# KiCad board Computer Board V2.1.kicad_pcb (continued)
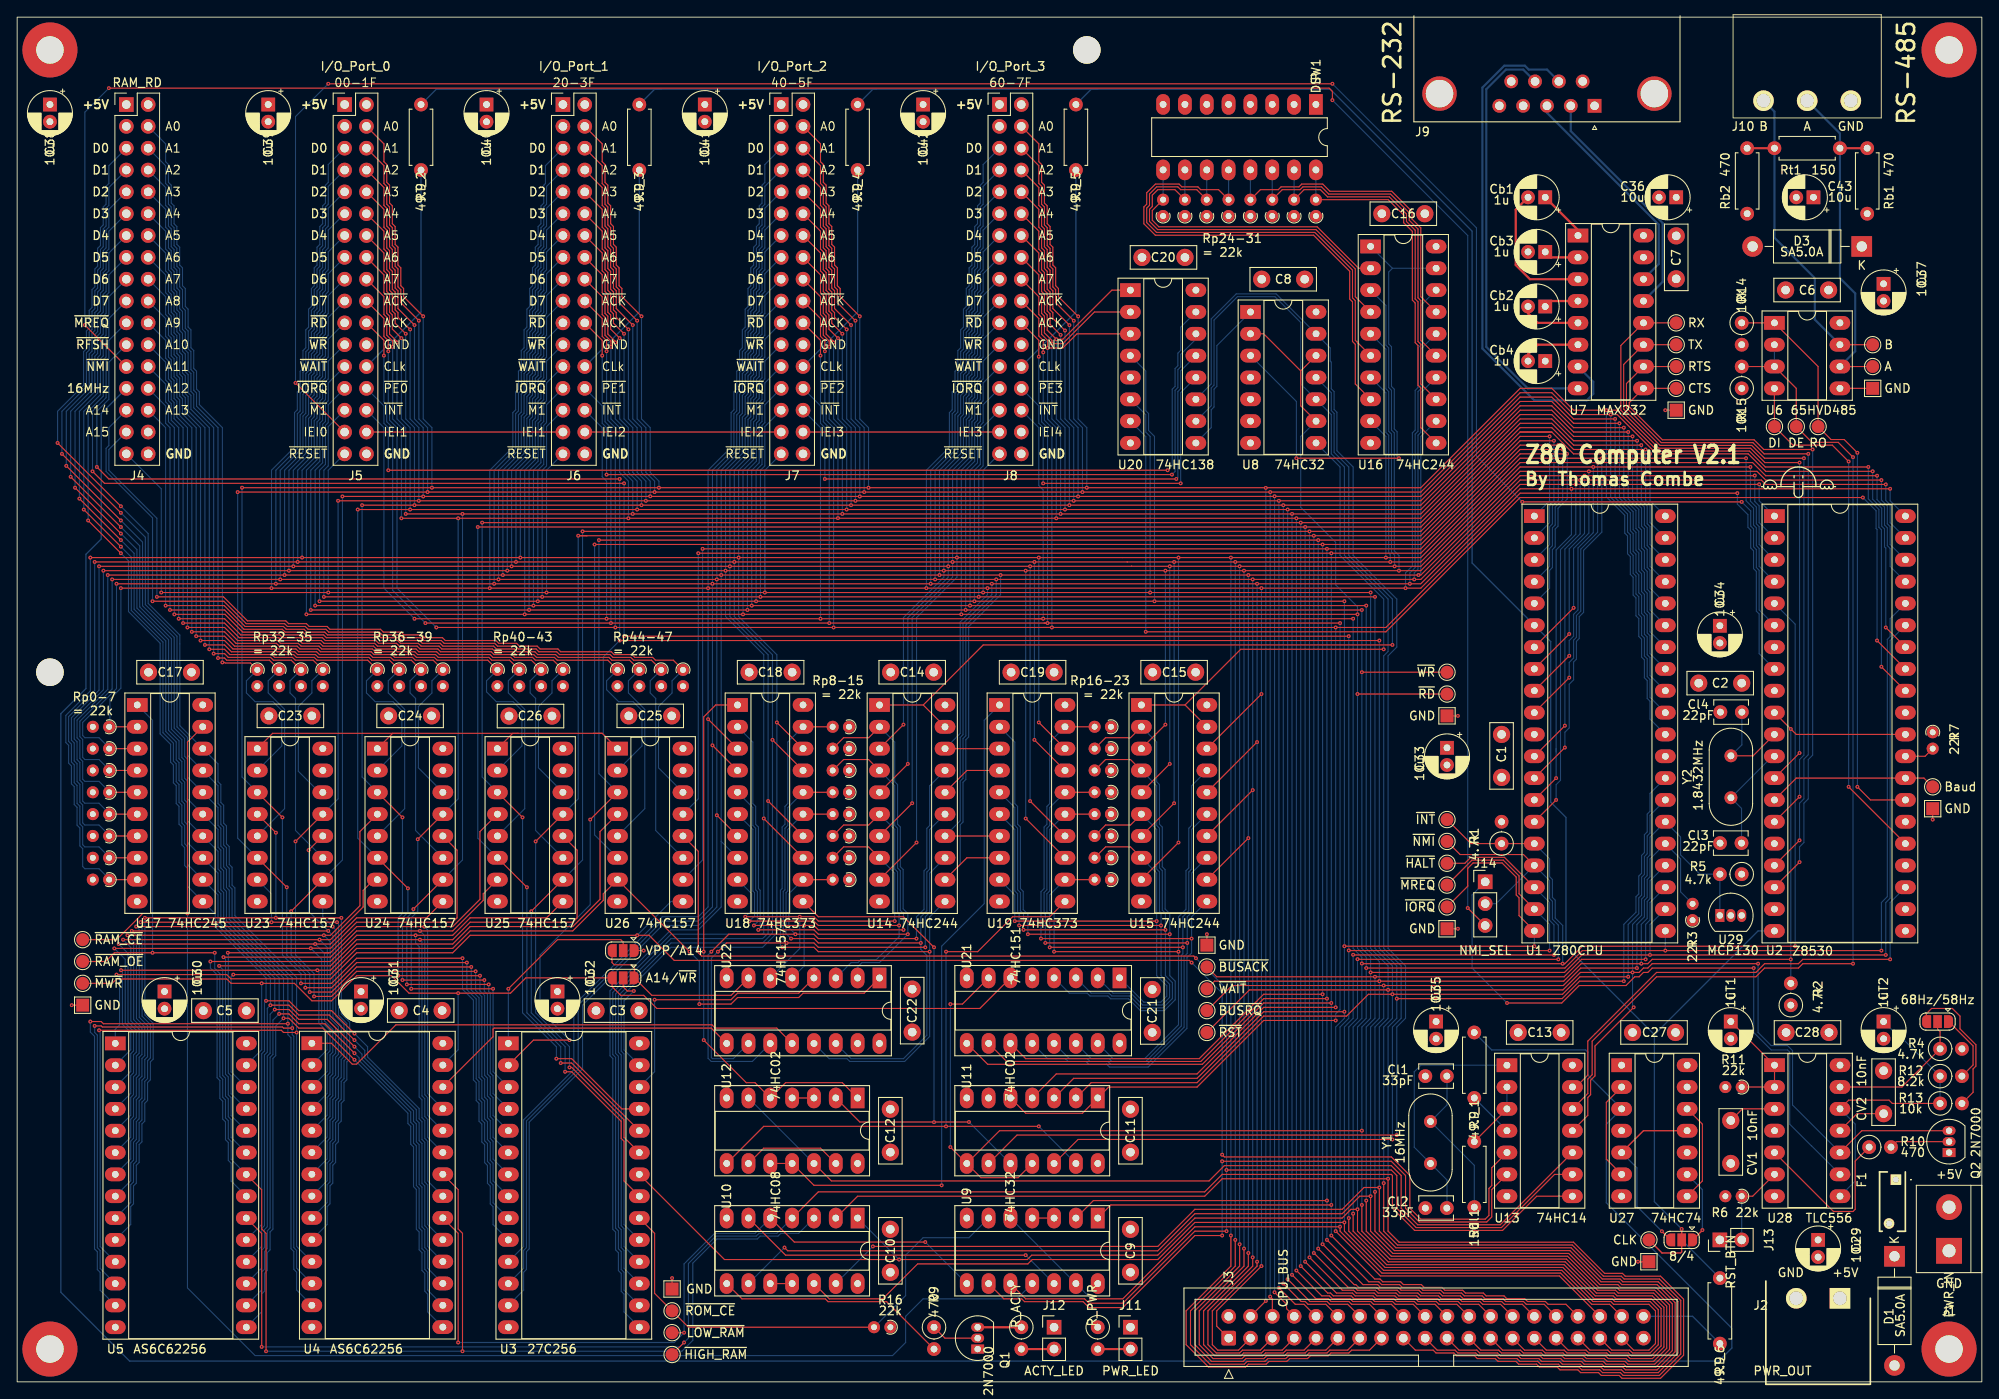
[diagram p0: board, top side]
## Routing (per net, layer and track width the routed paths; a pad name or vN(x,y) marks a point on that pad's centre or on a via; arc(x,y) is an arc through that point) (continued)
/A7: length 476.9
  Top w0.127: v1(69.09,120.4) 69.09,121.07 68.4,121.76 68.4,123.83 68.07,124.16 68.07,126.24 J6.18 ; U20.3 123.31,121.91 121.67,120.27 v1(119.9,120.27) 119.9,121.15 119.2,121.85 119.2,123.83 118.87,124.16 118.87,126.24 J8.18 ; J3.18 159.89,9.02 157.82,9.02 157.49,9.34 155.41,9.34 155.08,9.67 153.01,9.67 152.68,10 151.8,10 v1(148.84,12.95) ; J7.18 93.47,126.24 93.47,124.16 93.8,123.83 93.8,121.76 94.49,121.07 v1(94.49,120.4) ; v1(44.7,100.46) v1(120.9,100.46) 163.32,100.46 174.88,112.01 178.56,112.01 181.1,109.47 v1(188.49,109.47) ; J5.18 42.67,126.24 42.67,124.16 43,123.83 43,121.76 43.69,121.07 v1(43.69,120.4) ; U24.13 v1(46.61,63.12) ; v1(45.85,45.72) v1(55.37,45.72)
  Bottom w0.127: v1(43.69,120.4) 43.69,112.01 44.7,111 v1(44.7,100.46) ; v1(51.31,100.46) 51.31,67.82 U24.13 ; v1(94.49,120.4) 94.49,112.01 95.5,111 v1(95.5,100.48) ; v1(71.12,100.46) 71.12,104.77 70.1,105.79 70.1,111 69.09,112.01 v1(69.09,120.4) ; v1(46.61,63.12) 46.61,54.74 45.85,53.97 v1(45.85,45.72) ; 191.78,93.09 189.99,94.87 189.99,96.95 189.67,97.28 189.67,99.36 189.34,99.68 189.34,101.76 188.49,102.61 v1(188.49,109.47) ; v1(148.84,100.46) v1(148.84,12.95) ; v1(119.9,120.27) 119.9,112.01 120.9,111 v1(120.9,100.46) ; U3.3 55.37,36.07 v1(55.37,45.72)
/A8: length 336.6
  Top w0.127: v1(188.98,108.97) 181.1,108.97 178.56,111.51 174.88,111.51 163.32,99.95 v1(54.1,99.95) ; J3.20 162.43,9.02 160.36,9.02 160.03,9.34 157.95,9.34 157.62,9.67 155.55,9.67 155.22,10 153.14,10 152.81,10.32 152.49,10.32 v1(149.35,13.46) ; U3.25 70.36,31.75 64.52,37.59 v1(62.74,37.59) ; U25.3 v1(58.8,65.66)
  Bottom w0.127: v1(62.74,37.59) 62.74,38.99 58.8,42.93 v1(58.8,65.66) ; v1(54.1,99.95) 54.1,70.36 U25.3 ; U1.38 189.99,97.41 189.99,99.49 189.67,99.82 189.67,101.9 188.98,102.59 v1(188.98,108.97) ; v1(149.35,13.46) v1(149.35,99.95)
/A9: length 336.3
  Top w0.127: v1(149.86,13.97) 153.51,10.32 155.35,10.32 155.68,10 157.76,10 158.09,9.67 160.16,9.67 160.49,9.34 162.57,9.34 162.9,9.02 164.97,9.02 J3.22 ; U25.6 v1(59.31,57.53) ; U3.24 64.52,37.08 v1(63.25,37.08) ; v1(53.59,99.44) 163.32,99.44 174.88,111 178.56,111 181.1,108.46 v1(189.48,108.46)
  Bottom w0.127: v1(53.59,99.44) 53.59,63.25 U25.6 ; v1(149.86,13.97) v1(149.86,99.44) ; v1(59.31,57.53) 59.31,42.93 63.25,38.99 v1(63.25,37.08) ; U1.39 189.99,99.95 189.99,102.03 189.48,102.54 v1(189.48,108.46)
/A10: length 333
  Top w0.127: J3.24 167.51,9.02 165.44,9.02 165.11,9.34 163.03,9.34 162.7,9.67 160.63,9.67 160.3,10 158.22,10 157.89,10.32 155.82,10.32 155.49,10.65 154.19,10.65 v1(150.37,14.48) ; v1(189.99,107.95) 181.1,107.95 178.56,110.49 ; v1(63.75,36.07) 64.52,36.07 70.28,30.3 70.28,28.31 70.61,27.99 70.61,23.37 U3.21 ; U25.10 v1(59.82,54.74) ; 178.56,110.49 174.88,110.49 ; 178.56,110.49 174.88,110.49 ; 174.88,110.49 163.32,98.93 v1(65.79,98.93)
  Bottom w0.127: v1(150.37,98.93) v1(150.37,14.48) ; v1(65.79,98.93) 65.79,60.71 U25.10 ; U1.40 189.99,102.49 v1(189.99,107.95) ; v1(59.82,54.74) 59.82,42.93 63.75,38.99 v1(63.75,36.07)
/A11: length 314.9
  Top w0.127: U3.23 70.61,28.45 70.61,30.48 64.52,36.58 v1(64.26,36.58) ; U25.13 v1(60.33,62.86) ; 66.29,98.42 v1(65.28,98.42) 66.29,98.42 ; 66.29,98.42 163.32,98.42 174.88,109.98 v1(178.31,109.98) ; v1(150.88,14.99) 154.88,10.98 155.63,10.98 155.95,10.65 158.03,10.65 158.36,10.32 160.43,10.32 160.76,10 162.84,10 163.17,9.67 165.24,9.67 165.57,9.34 167.65,9.34 167.98,9.02 170.05,9.02 J3.26
  Bottom w0.127: U1.1 177.8,101.98 177.8,101.98 178.31,102.49 v1(178.31,109.98) ; v1(150.88,14.99) v1(150.88,98.42) ; U25.13 65.28,67.82 v1(65.28,98.42) ; v1(64.26,36.58) 64.26,38.99 60.33,42.93 v1(60.33,62.86)
/A12: length 309
  Top w0.127: v1(64.26,39.75) 60.07,39.75 U3.2 ; v1(178.81,109.47) 174.88,109.47 163.32,97.92 v1(67.69,97.92) ; U26.3 v1(66.68,65.41) ; v1(151.38,15.49) 155.57,11.31 155.76,11.31 156.09,10.98 158.17,10.98 158.49,10.65 160.57,10.65 160.9,10.32 162.97,10.32 163.3,10 165.38,10 165.71,9.67 167.78,9.67 168.11,9.34 170.19,9.34 170.52,9.02 172.59,9.02 J3.28
  Bottom w0.127: v1(66.68,65.41) 66.68,55.5 60.83,49.66 60.83,43.18 v1(64.26,39.75) ; v1(178.81,109.47) 178.81,102.53 178.31,102.03 178.31,99.94 U1.2 ; v1(151.38,15.49) v1(151.38,97.92) ; v1(67.69,97.92) 67.69,70.74 U26.3
/A13: length 318.7
  Top w0.127: U21.11 117.35,37.59 137.54,37.59 145.03,45.08 v1(151.89,45.08) ; v1(67.18,97.41) 163.32,97.41 174.88,108.97 v1(179.32,108.97) ; J3.30 175.13,9.02 173.06,9.02 172.73,9.34 170.65,9.34 170.32,9.67 168.25,9.67 167.92,10 165.84,10 165.51,10.32 163.44,10.32 163.1,10.66 161.03,10.66 160.71,10.98 158.63,10.98 158.3,11.31 156.59,11.31 v1(151.89,16)
  Bottom w0.127: v1(179.32,108.97) 179.32,102.58 178.64,101.89 178.64,99.81 178.31,99.48 178.31,97.4 U1.3 ; U26.6 67.18,63.63 v1(67.18,97.41) ; v1(151.89,16) v1(151.89,97.41)
/A14: length 345.1
  Top w0.127: v1(152.4,21.08) 125.22,21.08 U9.2 ; v1(152.4,16.51) 157.28,11.63 158.44,11.63 158.76,11.31 160.84,11.31 161.16,10.99 163.24,10.99 163.57,10.65 165.65,10.65 165.98,10.32 168.05,10.32 168.38,10 170.46,10 170.79,9.67 172.86,9.67 173.19,9.34 175.27,9.34 175.6,9.02 177.67,9.02 J3.32 ; v1(79.76,96.9) 163.32,96.9 174.88,108.46 v1(179.83,108.46) ; v1(152.4,44.58) 145.03,44.58 137.72,37.26 115.14,37.26 U21.10
  Bottom w0.127: U26.10 79.76,60.71 v1(79.76,96.9) ; 176.53,93.09 178.31,94.86 178.31,96.94 178.64,97.27 178.64,99.35 178.96,99.67 178.96,101.76 179.83,102.63 v1(179.83,108.46) ; v1(152.4,16.51) v1(152.4,21.08) v1(152.4,96.9)
/A14/~{WR}: length 12.3
  Top w0.127: v1(71.76,45.47) 70.99,45.47 70.52,45.94 JP3.2
  Bottom w0.127: v1(71.76,45.47) 70.61,44.32 70.61,38.61 U3.27
/A15: length 342.1
  Top w0.127: J3.34 180.21,9.02 178.14,9.02 177.81,9.34 175.73,9.34 175.4,9.67 173.33,9.67 173,10 170.92,10 170.59,10.32 168.52,10.32 168.19,10.65 166.11,10.65 165.79,10.98 163.71,10.98 163.37,11.31 161.3,11.31 160.98,11.63 158.9,11.63 158.57,11.96 157.97,11.96 v1(152.91,17.02) ; v1(180.34,107.95) 174.88,107.95 163.32,96.39 v1(79.25,96.39) ; U9.1 127.25,20.57 v1(152.91,20.57) ; v1(152.91,44.07) 145.03,44.07 137.9,36.94 112.92,36.94 U21.9
  Bottom w0.127: v1(152.91,17.02) v1(152.91,20.57) v1(152.91,96.39) ; v1(180.34,107.95) 180.36,107.93 180.36,102.69 179.29,101.62 179.29,99.54 178.96,99.21 178.96,97.13 178.64,96.81 178.64,94.73 178.31,94.4 178.31,92.32 U1.5 ; v1(79.25,96.39) 79.25,67.82 U26.13
/ACK: length 342.6
  Top w0.127: J8.22 118.87,121.16 v1(118.87,119.25) ; v1(93.47,119.38) 93.47,121.16 J7.22 ; J5.22 42.67,121.16 v1(42.67,119.38) ; U11.5 117.35,31.24 123.95,31.24 U11.1 127,34.29 137.29,34.29 145.03,42.04 v1(153.42,42.04) ; v1(68.07,119.38) 68.07,121.16 J6.22 ; 119.51,88.26 v1(119.89,88.26) ; 119.51,88.26 v1(153.92,88.26) ; 119.51,88.26 v1(47.5,88.26)
  Bottom w0.127: v1(153.42,42.04) 153.42,42.8 153.92,43.31 v1(153.92,88.26) ; v1(93.47,119.38) 93.47,114 93.8,113.67 93.8,111.69 94.49,111 v1(94.49,88.26) ; v1(68.07,119.38) 68.07,114 68.4,113.67 68.4,111.69 69.09,111 v1(69.09,88.26) ; v1(119.89,88.26) 119.89,111 119.2,111.69 119.2,113.67 118.87,114 v1(118.87,119.25) ; v1(42.67,119.38) 42.67,114 43,113.67 43,111.69 43.69,111 43.69,92.07 v1(47.5,88.26)
/ACTY: length 27.3
  Top w0.127: R9.2 101.17,9.32 94.35,9.32 94.03,9.65 84.33,9.65 U10.8
/AstableCap: length 36.2
  Top w0.127: R13.1 218.19,32.38 217.81,32.77 213.11,32.77 U28.12
  Bottom w0.127: U28.12 213.87,29.99 213.87,23.36 U28.8 ; CT2.1 218.19,40.89 218.41,40.89 R12.1 R13.1
/AstableNode: length 16.8
  Top w0.127: U28.13 219.31,34.29 R4.1 223.75,40.73 223.45,41.02 JP4.2
/B: length 39.1
  Top w0.127: TP15.1 U6.7
  Top w0.254: Rt1.2 Rb2.1
  Bottom w0.254: U6.7 209.17,123.57 209.17,128.4 204.47,133.1 Rt1.2 204.47,147.76 J10.3
/Bank_Q0: length 83.1
  Top w0.127: Rp_8.2 96.16,74.93 99.08,74.93 U14.2 ; v1(86.23,52.58) 92.71,52.58 93.22,52.07 v1(103.63,52.07)
  Bottom w0.127: U22.2 97.79,48.26 98.3,48.77 100.33,48.77 v1(103.63,52.07) 103.63,54.48 103.09,55.03 103.09,59.59 102.76,59.92 102.76,64.54 102.44,64.86 102.44,69.48 102.11,69.81 102.11,74.43 U14.2 ; U18.2 85.6,74.42 85.6,67.26 85.93,66.94 85.93,64.86 86.25,64.53 86.25,57.38 86.45,57.18 86.45,52.8 v1(86.23,52.58)
/Bank_Q1: length 67.1
  Top w0.127: v1(103.12,52.58) 93.22,52.58 92.71,53.09 v1(85.73,53.09) ; U14.4 99.06,72.39 96.16,72.39 Rp_9.2
  Bottom w0.127: v1(91.57,53.09) 91.57,48.38 U22.5 ; U18.5 85.6,66.8 85.6,64.72 85.93,64.4 85.93,57.24 86.12,57.04 86.12,53.49 v1(85.73,53.09) ; U14.4 102.11,69.35 102.11,64.73 102.44,64.4 102.44,59.78 102.76,59.46 102.76,54.84 103.12,54.48 v1(103.12,52.58)
/Bank_Q2: length 62.2
  Top w0.127: v1(85.21,53.59) 92.71,53.59 93.22,53.09 v1(102.62,53.09) ; Rp_10.2 96.16,64.77 99.08,64.77 U14.6
  Bottom w0.127: U14.6 102.11,64.27 102.11,59.65 102.44,59.32 102.44,54.66 102.62,54.48 v1(102.62,53.09) 102.62,51.77 99.94,49.09 98.16,49.09 97.84,48.77 97.04,48.77 U22.3 ; U18.6 85.6,64.26 85.6,57.1 85.8,56.9 85.8,54.19 v1(85.21,53.59)
/Bank_Q3: length 46.1
  Top w0.127: v1(84.71,54.1) 92.71,54.1 93.22,53.59 v1(102.11,53.59) ; Rp_11.2 96.16,62.23 99.06,62.23 U14.8
  Bottom w0.127: v1(91.06,54.1) 91.06,50.41 U22.6 ; U18.9 85.47,56.77 85.47,54.86 v1(84.71,54.1) ; U14.8 102.11,59.19 v1(102.11,53.59)
/Bank_Q4: length 77.5
  Top w0.127: v1(104.64,51.56) 93.22,51.56 92.71,52.07 v1(90.55,52.07) 82.8,52.07 v1(80.77,50.04) ; Rp_12.2 U18.12
  Bottom w0.127: U18.12 89.79,56.77 89.79,52.83 v1(90.55,52.07) ; v1(104.64,51.56) 104.64,54.09 105.52,54.97 105.52,59.44 105.84,59.76 105.84,64.38 106.17,64.71 106.17,69.33 U14.17 ; U22.11 85.53,37.26 80.76,37.26 80.39,37.64 80.39,49.66 v1(80.77,50.04)
/Bank_Q5: length 73.9
  Top w0.127: v1(90.04,51.56) 92.71,51.56 93.22,51.05 v1(105.14,51.05) ; Rp_13.2 U18.15
  Bottom w0.127: U18.15 89.66,64.26 89.66,57.1 89.46,56.9 89.46,52.14 v1(90.04,51.56) ; U22.14 97.02,37.59 103.12,37.59 105.84,40.31 105.84,49.6 105.14,50.3 v1(105.14,51.05) 105.14,54.09 105.84,54.79 105.84,59.3 106.17,59.63 106.17,64.25 U14.15
/Bank_Q6: length 76
  Top w0.127: v1(105.66,50.55) 93.22,50.55 92.71,51.05 v1(89.53,51.05) 82.55,51.05 v1(81.53,50.04) ; U18.16 Rp_14.2
  Bottom w0.127: v1(81.53,50.04) 80.77,49.28 80.77,37.72 80.9,37.59 83.32,37.59 U22.10 ; v1(105.66,50.55) 105.66,54.1 106.17,54.61 106.17,59.17 U14.13 ; v1(89.53,51.05) 89.14,51.45 89.14,57.04 89.34,57.24 89.34,64.4 89.66,64.72 89.66,66.8 U18.16
/Bank_Q7: length 79.6
  Top w0.127: v1(106.17,50.04) 93.22,50.04 92.71,50.55 v1(89.03,50.55) ; U18.19 Rp_15.2
  Bottom w0.127: U22.13 94.48,37.59 96.56,37.59 96.88,37.26 103.26,37.26 106.17,40.18 v1(106.17,50.04) 106.17,54.09 U14.11 ; U18.19 89.66,74.42 89.66,67.26 89.34,66.94 89.34,64.86 89.01,64.53 89.01,57.38 88.81,57.18 88.81,50.76 v1(89.03,50.55)
/Bank_Register/WR: length 61.3
  Top w0.127: U18.11 93.22,54.1 103.12,54.1 v1(106.68,50.55) ; U12.2 98.04,30.23 106.66,30.23 v1(106.68,30.21) 106.7,30.23 v1(110.74,30.23)
  Bottom w0.127: v1(106.68,30.21) v1(106.68,50.55) ; v1(110.74,30.23) U11.10
/Bank_Register/~{OE}: length 64.3
  Top w0.127: U18.1 81.28,78.74 79.88,77.34 v1(79.88,50.04) ; v1(79.88,39.75) 84.84,34.8 85.85,34.8 U12.5 89.41,34.8 96.01,34.8 U12.1
  Bottom w0.127: v1(79.88,39.75) v1(79.88,50.04)
/Baud_CLK: length 19.9
  Top w0.127: TP2.1 221.87,70.23 U2.28 207.01,70.23 U2.14
/CLK: length 299.2
  Top w0.15: v1(193.68,17.78) JP1.2 193.68,15.11 193.55,14.99 191.39,14.99 TP22.1
  Bottom w0.15: 74.93,150.37 48.77,150.37 RT_2.2 ; 74.93,150.37 99.95,150.37 ; 74.93,150.37 74.17,150.37 RT_3.2 ; 190.5,40.39 202.57,52.45 U2.20 ; 190.5,40.39 190.5,20.95 v1(193.68,17.78) JP1.2 RT_6.2 ; 190.5,40.39 180.21,50.67 180.21,65.66 178.44,67.44 178.44,86.11 178.44,86.11 U1.6 169.29,95.25 169.29,133.86 152.78,150.37 125.73,150.37 ; 99.95,150.37 99.57,150.37 RT_4.2 ; 99.95,150.37 125.73,150.37 ; RT_5.2 124.97,150.37 125.73,150.37
/CLK_4MHz: length 8.8
  Top w0.15: v1(196.09,17.65) 196.09,17.62 JP1.1
  Bottom w0.15: v1(196.09,17.65) 196.09,22.35 U27.9
/CLK_8MHz: length 21.2
  Top w0.15: U27.11 189.23,29.21 U27.5 ; v1(191.37,17.51) JP1.3
  Bottom w0.15: v1(191.37,17.51) 188.47,20.42 188.47,24.89 U27.5
/CLK_16MHz: length 363.7
  Bottom w0.15: J4.27 9.78,112.65 9.78,98.04 8,96.27 8,80.64 5.08,77.72 5.08,10.41 13.08,2.41 197.99,2.41 199.52,3.94 199.52,6.22 184.91,20.83 184.91,29.97 U27.3 182.75,35.69 182.75,38.35 182.5,38.61 171.58,38.61 RT_1.2
/CPU_~{NMI}: length 138.2
  Top w0.127: v1(154.94,19.05) 154.94,17.53 159.17,13.3 179.86,13.3 183.49,9.67 185.56,9.67 185.89,9.34 190,9.34 190.95,8.39 190.95,4.31 190,3.36 187.95,3.36 187.62,3.68 185.55,3.68 J3.35 ; TP1.1 167.89,61.34 175.27,61.34 U1.17 ; v1(155.96,49.17) 155.98,49.15 v1(179.32,49.15)
  Bottom w0.127: v1(179.32,49.15) 179.32,53.13 178.64,53.82 178.64,55.89 178.31,56.22 178.31,58.3 U1.17 172.09,55.63 J14.2 ; v1(154.94,19.05) 154.94,41.28 155.96,42.29 v1(155.96,49.17)
/CTS_232: length 49.8
  Bottom w0.254: J9.8 175.24,152.65 173.23,152.65 170.94,150.37 170.94,120.4 175.77,115.57 U7.8
/D0: length 749.4
  Top w0.127: U17.2 10.79,76.2 ; U18.3 v1(80.39,77.09) ; v1(144.78,13.46) 139.57,8.25 139.57,6.48 J3.1 ; v1(12.07,92.33) v1(112.9,92.33) v1(161.54,92.33) 163.32,92.33 174.88,103.89 v1(180.85,103.89) v1(217.93,103.89) ; U14.18 114.3,73.66 ; 176.53,67.7 v1(179.07,70.23) ; U15.18 v1(144.78,80.01)
  Bottom w0.127: v1(180.85,103.89) 180.85,98.55 179.07,96.77 179.07,73.28 179.07,73.66 v1(179.07,70.23) ; v1(217.93,103.89) 217.93,102.49 U2.40 ; v1(112.9,92.33) 112.9,91.57 109.73,88.39 109.73,75.42 U14.18 ; 10.79,76.2 10.79,79.42 12.07,80.69 v1(12.07,92.33) ; v1(105.79,92.33) 105.79,106.04 108.47,108.72 108.47,112.75 108.8,113.08 108.8,115.15 109.12,115.48 109.12,117.56 109.45,117.89 109.45,119.96 109.78,120.29 109.78,122.37 110.11,122.7 110.11,124.77 110.43,125.1 110.43,127.18 110.76,127.5 110.76,129.58 111.09,129.91 111.09,131.99 111.41,132.31 111.41,134.39 111.74,134.72 111.74,136.8 112.07,137.12 112.07,139.2 112.4,139.53 112.4,141.6 J8.5 ; J7.5 87,141.6 87,139.53 86.67,139.2 86.67,137.12 86.34,136.8 86.34,134.72 86.01,134.39 86.01,132.31 85.69,131.99 85.69,129.91 85.36,129.58 85.36,127.5 85.03,127.18 85.03,125.1 84.71,124.77 84.71,122.7 84.38,122.37 84.38,120.29 84.05,119.96 84.05,117.89 83.73,117.56 83.73,115.48 83.4,115.15 83.4,113.08 83.07,112.75 83.07,108.72 80.39,106.04 v1(80.39,92.33) v1(80.39,77.09) 80.39,55.25 79.25,54.1 75.06,54.1 64.77,43.81 64.77,36.32 58.93,30.48 58.93,15.75 U3.11 ; v1(54.99,92.33) 54.99,106.04 57.67,108.72 57.67,112.75 58,113.08 58,115.15 58.33,115.48 58.33,117.56 58.65,117.89 58.65,119.96 58.98,120.29 58.98,122.37 59.31,122.7 59.31,124.77 59.63,125.1 59.63,127.18 59.96,127.5 59.96,129.58 60.29,129.91 60.29,131.99 60.61,132.31 60.61,134.39 60.94,134.72 60.94,136.8 61.27,137.12 61.27,139.2 61.47,139.4 61.47,141.48 J6.5 ; U16.18 163.32,125.22 163.32,120.6 163,120.28 163,115.66 162.67,115.33 162.67,110.72 162.34,110.39 162.34,94.9 161.54,94.1 v1(161.54,92.33) ; v1(144.78,92.33) v1(144.78,13.46) ; v1(29.59,92.33) 29.59,106.04 32.27,108.72 32.27,112.75 32.6,113.08 32.6,115.15 32.93,115.48 32.93,117.56 33.25,117.89 33.25,119.96 33.58,120.29 33.58,122.37 33.91,122.7 33.91,124.77 34.23,125.1 34.23,127.18 34.56,127.5 34.56,129.58 34.89,129.91 34.89,131.99 35.21,132.31 35.21,134.39 35.54,134.72 35.54,136.8 35.87,137.12 35.87,139.2 36.2,139.53 36.2,141.6 J5.5
/D1: length 740
  Top w0.127: v1(11.56,92.84) v1(80.9,92.84) v1(113.41,92.84) v1(162.05,92.84) 163.32,92.84 174.88,104.39 v1(181.36,104.39) 202.67,104.39 v1(202.69,104.41) ; J3.3 142.11,3.68 139.7,3.68 139.06,4.32 139.06,8.25 144.27,13.46 v1(144.27,13.97) ; U19.4 110.51,71.12 U14.16 ; 10.79,73.66 U17.3 ; v1(80.9,74.04) U18.4 ; U15.16 v1(144.27,74.42) ; v1(179.07,67.69) 176.53,65.16
  Bottom w0.127: U16.16 163.32,120.14 163.32,115.52 163,115.2 163,110.58 162.67,110.25 162.67,94.72 162.05,94.11 v1(162.05,92.84) ; J8.7 112.4,139.06 112.4,136.99 112.07,136.66 112.07,134.58 111.74,134.26 111.74,132.18 111.41,131.85 111.41,129.77 111.09,129.45 111.09,127.37 110.76,127.04 110.76,124.96 110.43,124.64 110.43,122.56 110.11,122.23 110.11,120.16 109.78,119.83 109.78,117.75 109.45,117.42 109.45,115.35 109.12,115.02 109.12,112.94 108.8,112.61 108.8,108.54 106.3,106.04 v1(106.3,92.84) ; U2.1 202.69,102.49 v1(202.69,104.41) ; v1(113.41,92.84) 113.41,91.57 110.06,88.21 110.06,75.29 109.73,74.96 109.73,70.34 U14.16 ; v1(55.5,92.84) 55.5,106.04 58,108.54 58,112.61 58.33,112.94 58.33,115.02 58.65,115.35 58.65,117.42 58.98,117.75 58.98,119.83 59.31,120.16 59.31,122.23 59.63,122.56 59.63,124.64 59.96,124.96 59.96,127.04 60.29,127.37 60.29,129.45 60.61,129.77 60.61,131.85 60.94,132.18 60.94,134.26 61.27,134.58 61.27,136.66 61.6,136.99 61.6,139.06 J6.7 ; v1(30.1,92.84) 30.1,106.04 32.6,108.54 32.6,112.61 32.93,112.94 32.93,115.02 33.25,115.35 33.25,117.42 33.58,117.75 33.58,119.83 33.91,120.16 33.91,122.23 34.23,122.56 34.23,124.64 34.56,124.96 34.56,127.04 34.89,127.37 34.89,129.45 35.21,129.77 35.21,131.85 35.54,132.18 35.54,134.26 35.87,134.58 35.87,136.66 36.2,136.99 36.2,139.06 J5.7 ; v1(179.07,67.69) 179.07,69.47 179.58,69.98 179.58,96.82 181.36,98.6 v1(181.36,104.39) ; U3.12 58.93,13.21 58.93,15.29 59.26,15.61 59.26,30.34 65.28,36.37 65.28,43.81 75.06,53.59 79.25,53.59 80.9,55.25 v1(80.9,74.04) v1(80.9,92.84) 80.9,106.04 83.4,108.54 83.4,112.61 83.73,112.94 83.73,115.02 84.05,115.35 84.05,117.42 84.38,117.75 84.38,119.83 84.71,120.16 84.71,122.23 85.03,122.56 85.03,124.64 85.36,124.96 85.36,127.04 85.69,127.37 85.69,129.45 86.01,129.77 86.01,131.85 86.34,132.18 86.34,134.26 86.67,134.58 86.67,136.66 87,136.99 87,139.06 J7.7 ; v1(11.56,92.84) 11.56,80.64 7.62,76.71 7.62,75.18 7.87,74.93 9.52,74.93 10.79,73.66 ; v1(144.27,13.97) v1(144.27,92.84)
/D2: length 745.9
  Top w0.127: v1(11.05,93.34) v1(81.41,93.34) v1(113.92,93.34) 163.32,93.34 174.88,104.9 v1(181.86,104.9) 202.95,104.9 203.45,104.39 v1(217.42,104.39) ; J3.5 144.65,3.68 142.58,3.68 142.25,3.36 139.52,3.36 138.56,4.32 138.56,8.25 143.76,13.46 v1(143.76,14.48) ; U18.7 v1(81.41,65.91) ; 176.53,72.78 v1(180.09,76.33) ; U14.14 114.3,63.5 ; U15.14 v1(143.76,68.83) ; 10.79,71.12 U17.4
  Bottom w0.127: J6.9 61.6,136.52 61.6,134.45 61.27,134.12 61.27,132.04 60.94,131.72 60.94,129.64 60.61,129.31 60.61,127.23 60.29,126.91 60.29,124.83 59.96,124.5 59.96,122.42 59.63,122.1 59.63,120.02 59.31,119.69 59.31,117.62 58.98,117.29 58.98,115.21 58.65,114.88 58.65,112.81 58.33,112.48 58.33,108.36 56.01,106.04 v1(56.01,93.34) ; v1(217.42,104.39) 217.42,102.53 217.93,102.03 217.93,99.95 U2.39 ; v1(11.05,93.34) 11.05,80.6 7.29,76.84 7.29,75.05 7.62,74.72 7.62,72.64 7.87,72.39 9.52,72.39 10.79,71.12 ; U16.14 163.32,115.06 163.32,110.44 163,110.12 163,94.54 162.56,94.11 v1(162.56,93.34) ; J7.9 87,136.52 87,134.45 86.67,134.12 86.67,132.04 86.34,131.72 86.34,129.64 86.01,129.31 86.01,127.23 85.69,126.91 85.69,124.83 85.36,124.5 85.36,122.42 85.03,122.1 85.03,120.02 84.71,119.69 84.71,117.62 84.38,117.29 84.38,115.21 84.05,114.88 84.05,112.81 83.73,112.48 83.73,108.36 81.41,106.04 v1(81.41,93.34) v1(81.41,65.91) 81.41,55.23 79.27,53.09 75.06,53.09 65.79,43.81 65.79,36.41 59.58,30.21 59.58,15.48 59.26,15.15 59.26,13.07 58.93,12.75 58.93,10.67 U3.13 ; U14.14 109.73,65.26 109.73,69.88 110.06,70.21 110.06,74.83 110.38,75.15 110.38,88.03 113.92,91.57 v1(113.92,93.34) ; J8.9 112.4,136.52 112.4,134.45 112.07,134.12 112.07,132.04 111.74,131.72 111.74,129.64 111.41,129.31 111.41,127.23 111.09,126.91 111.09,124.83 110.76,124.5 110.76,122.42 110.43,122.1 110.43,120.02 110.11,119.69 110.11,117.62 109.78,117.29 109.78,115.21 109.45,114.88 109.45,112.81 109.12,112.48 109.12,108.36 106.81,106.04 v1(106.81,93.34) ; v1(180.09,76.33) 180.09,96.87 181.86,98.64 v1(181.86,104.9) ; v1(143.76,93.34) v1(143.76,14.48) ; v1(30.61,93.34) 30.61,106.04 32.93,108.36 32.93,112.48 33.25,112.81 33.25,114.88 33.58,115.21 33.58,117.29 33.91,117.62 33.91,119.69 34.23,120.02 34.23,122.1 34.56,122.42 34.56,124.5 34.89,124.83 34.89,126.91 35.21,127.23 35.21,129.31 35.54,129.64 35.54,131.72 35.87,132.04 35.87,134.12 36.2,134.45 36.2,136.52 J5.9
/D3: length 715.3
  Top w0.127: v1(10.54,93.85) v1(81.92,93.85) v1(114.43,93.85) v1(143.26,93.85) v1(163.05,93.85) 163.32,93.85 174.88,105.41 v1(182.37,105.41) 202.16,105.41 v1(202.18,105.43) ; U14.12 110.51,60.96 U19.8 ; J3.7 147.19,3.68 145.12,3.68 144.79,3.36 142.71,3.36 142.38,3.03 139.34,3.03 138.05,4.32 138.05,8.25 143.26,13.46 v1(143.26,14.99) ; U15.12 v1(143.26,63.25) ; 176.53,82.94 v1(180.59,87) ; 10.79,68.58 U17.5
  Bottom w0.127: J7.11 87,133.98 87,131.91 86.67,131.58 86.67,129.5 86.34,129.18 86.34,127.1 86.01,126.77 86.01,124.69 85.69,124.37 85.69,122.29 85.36,121.96 85.36,119.88 85.03,119.56 85.03,117.48 84.71,117.15 84.71,115.08 84.38,114.75 84.38,112.67 84.05,112.34 84.05,108.18 81.92,106.04 v1(81.92,93.85) 81.92,62.86 ; v1(10.54,93.85) 10.54,80.55 6.97,76.98 6.97,74.91 7.29,74.59 7.29,72.51 7.62,72.18 7.62,70.1 7.87,69.85 9.52,69.85 10.79,68.58 ; 81.92,62.86 U18.8 ; 81.92,62.86 81.92,55.25 79.25,52.58 76.07,52.58 68.98,45.48 68.98,37.93 69.3,37.6 69.3,17.75 69.63,17.42 69.63,15.34 69.96,15.01 69.96,12.94 70.28,12.61 70.28,10.53 70.61,10.21 70.61,8.13 U3.15 ; v1(107.31,93.85) 107.31,106.04 109.45,108.18 109.45,112.34 109.78,112.67 109.78,114.75 110.11,115.08 110.11,117.15 110.43,117.48 110.43,119.56 110.76,119.88 110.76,121.96 111.09,122.29 111.09,124.37 111.41,124.69 111.41,126.77 111.74,127.1 111.74,129.18 112.07,129.5 112.07,131.58 112.4,131.91 112.4,133.98 J8.11 ; v1(114.43,93.85) 114.43,91.57 110.71,87.85 110.71,75.02 110.38,74.69 110.38,70.07 110.06,69.75 110.06,65.13 109.73,64.8 109.73,60.18 U14.12 ; J6.11 61.6,133.98 61.6,131.91 61.27,131.58 61.27,129.5 60.94,129.18 60.94,127.1 60.61,126.77 60.61,124.69 60.29,124.37 60.29,122.29 59.96,121.96 59.96,119.88 59.63,119.56 59.63,117.48 59.31,117.15 59.31,115.08 58.98,114.75 58.98,112.67 58.65,112.34 58.65,108.18 56.52,106.04 v1(56.52,93.85) ; v1(202.18,105.43) 202.18,102.41 202.69,101.9 202.69,99.95 U2.2 ; v1(31.12,93.85) 31.12,106.04 33.25,108.18 33.25,112.34 33.58,112.67 33.58,114.75 33.91,115.08 33.91,117.15 34.23,117.48 34.23,119.56 34.56,119.88 34.56,121.96 34.89,122.29 34.89,124.37 35.21,124.69 35.21,126.77 35.54,127.1 35.54,129.18 35.87,129.5 35.87,131.58 36.2,131.91 36.2,133.98 J5.11 ; U16.12 163.32,109.98 163.32,94.13 v1(163.05,93.85) ; v1(143.26,93.85) v1(143.26,14.99) ; v1(180.59,87) 180.59,96.91 182.37,98.69 v1(182.37,105.41)
/D4: length 778.8
  Top w0.127: 10.79,66.04 U17.6 ; v1(10.03,94.36) v1(107.82,94.36) v1(117.35,94.36) 163.32,94.36 174.88,105.92 v1(182.88,105.92) 202.44,105.92 203.45,104.9 v1(216.92,104.9) ; 100.34,73.67 v1(103.12,76.45) ; U15.3 v1(133.6,76.45) ; v1(117.35,65.53) U19.13 ; U1.7 v1(181.1,90.04) ; U18.13 v1(86.87,65.53) ; J3.9 149.73,3.68 147.66,3.68 147.33,3.36 145.25,3.36 144.92,3.03 142.85,3.03 142.52,2.7 139.16,2.7 137.54,4.32 137.54,8.25 142.75,13.46 v1(142.75,15.49)
  Bottom w0.127: v1(57.02,94.36) 57.02,106.04 58.98,108 58.98,112.21 59.31,112.54 59.31,114.61 59.63,114.94 59.63,117.02 59.96,117.34 59.96,119.42 60.29,119.75 60.29,121.83 60.61,122.15 60.61,124.23 60.94,124.56 60.94,126.64 61.27,126.96 61.27,129.04 61.6,129.37 61.6,131.44 J6.13 ; v1(117.35,94.36) v1(117.35,65.53) ; J8.13 112.4,131.44 112.4,129.37 112.07,129.04 112.07,126.96 111.74,126.64 111.74,124.56 111.41,124.23 111.41,122.15 111.09,121.83 111.09,119.75 110.76,119.42 110.76,117.34 110.43,117.02 110.43,114.94 110.11,114.61 110.11,112.54 109.78,112.21 109.78,108 107.82,106.04 v1(107.82,94.36) 107.82,93.6 103.12,88.9 v1(103.12,76.45) ; v1(133.6,76.45) v1(133.6,94.36) ; U3.16 70.61,10.67 70.61,12.75 70.28,13.07 70.28,15.15 69.96,15.48 69.96,17.55 69.63,17.88 69.63,37.74 69.3,38.07 69.3,45.3 76.07,52.07 86.74,52.07 86.87,52.2 v1(86.87,65.53) 86.87,84.58 82.42,89.03 v1(82.42,94.36) 82.42,106.04 84.38,108 84.38,112.21 84.71,112.54 84.71,114.61 85.03,114.94 85.03,117.02 85.36,117.34 85.36,119.42 85.69,119.75 85.69,121.83 86.01,122.15 86.01,124.23 86.34,124.56 86.34,126.64 86.67,126.96 86.67,129.04 87,129.37 87,131.44 J7.13 ; v1(142.75,94.36) v1(142.75,15.49) ; v1(182.88,105.92) 182.88,98.73 181.1,96.96 v1(181.1,90.04) ; U2.38 217.93,97.41 217.93,99.49 217.6,99.81 217.6,101.89 216.92,102.58 v1(216.92,104.9) ; v1(160.78,94.36) 160.78,96.12 160.24,96.66 160.24,110.39 159.91,110.72 159.91,115.33 159.59,115.66 159.59,120.28 159.26,120.6 159.26,125.22 U16.3 ; v1(31.62,94.36) 31.62,106.04 33.58,108 33.58,112.21 33.91,112.54 33.91,114.61 34.23,114.94 34.23,117.02 34.56,117.34 34.56,119.42 34.89,119.75 34.89,121.83 35.21,122.15 35.21,124.23 35.54,124.56 35.54,126.64 35.87,126.96 35.87,129.04 36.2,129.37 36.2,131.44 J5.13 ; v1(10.03,94.36) 10.03,80.51 6.64,77.11 6.64,74.78 6.97,74.45 6.97,72.37 7.29,72.05 7.29,69.97 7.62,69.64 7.62,67.56 7.87,67.31 9.52,67.31 10.79,66.04
/D5: length 765.7
  Top w0.127: 10.79,63.5 U17.7 ; v1(142.24,16) 142.24,13.46 137.03,8.25 137.03,4.32 138.98,2.38 142.65,2.38 142.98,2.7 145.06,2.7 145.39,3.03 147.46,3.03 147.79,3.36 149.87,3.36 150.2,3.68 152.27,3.68 J3.11 ; v1(87.38,67.56) U18.14 ; v1(201.68,106.43) v1(183.39,106.43) 174.88,106.43 163.32,94.87 v1(134.11,94.87) 129.69,94.87 129.67,94.89 129.65,94.87 v1(117.86,94.87) v1(108.33,94.87) v1(9.52,94.87) ; 176.53,80.4 v1(180.59,84.45) ; U15.5 v1(134.11,71.88) ; v1(103.63,71.88) 103.63,71.87 U14.5 ; v1(117.86,67.56) U19.14